# Altium PCB PCB_power_unit_1.PcbDoc (continued)
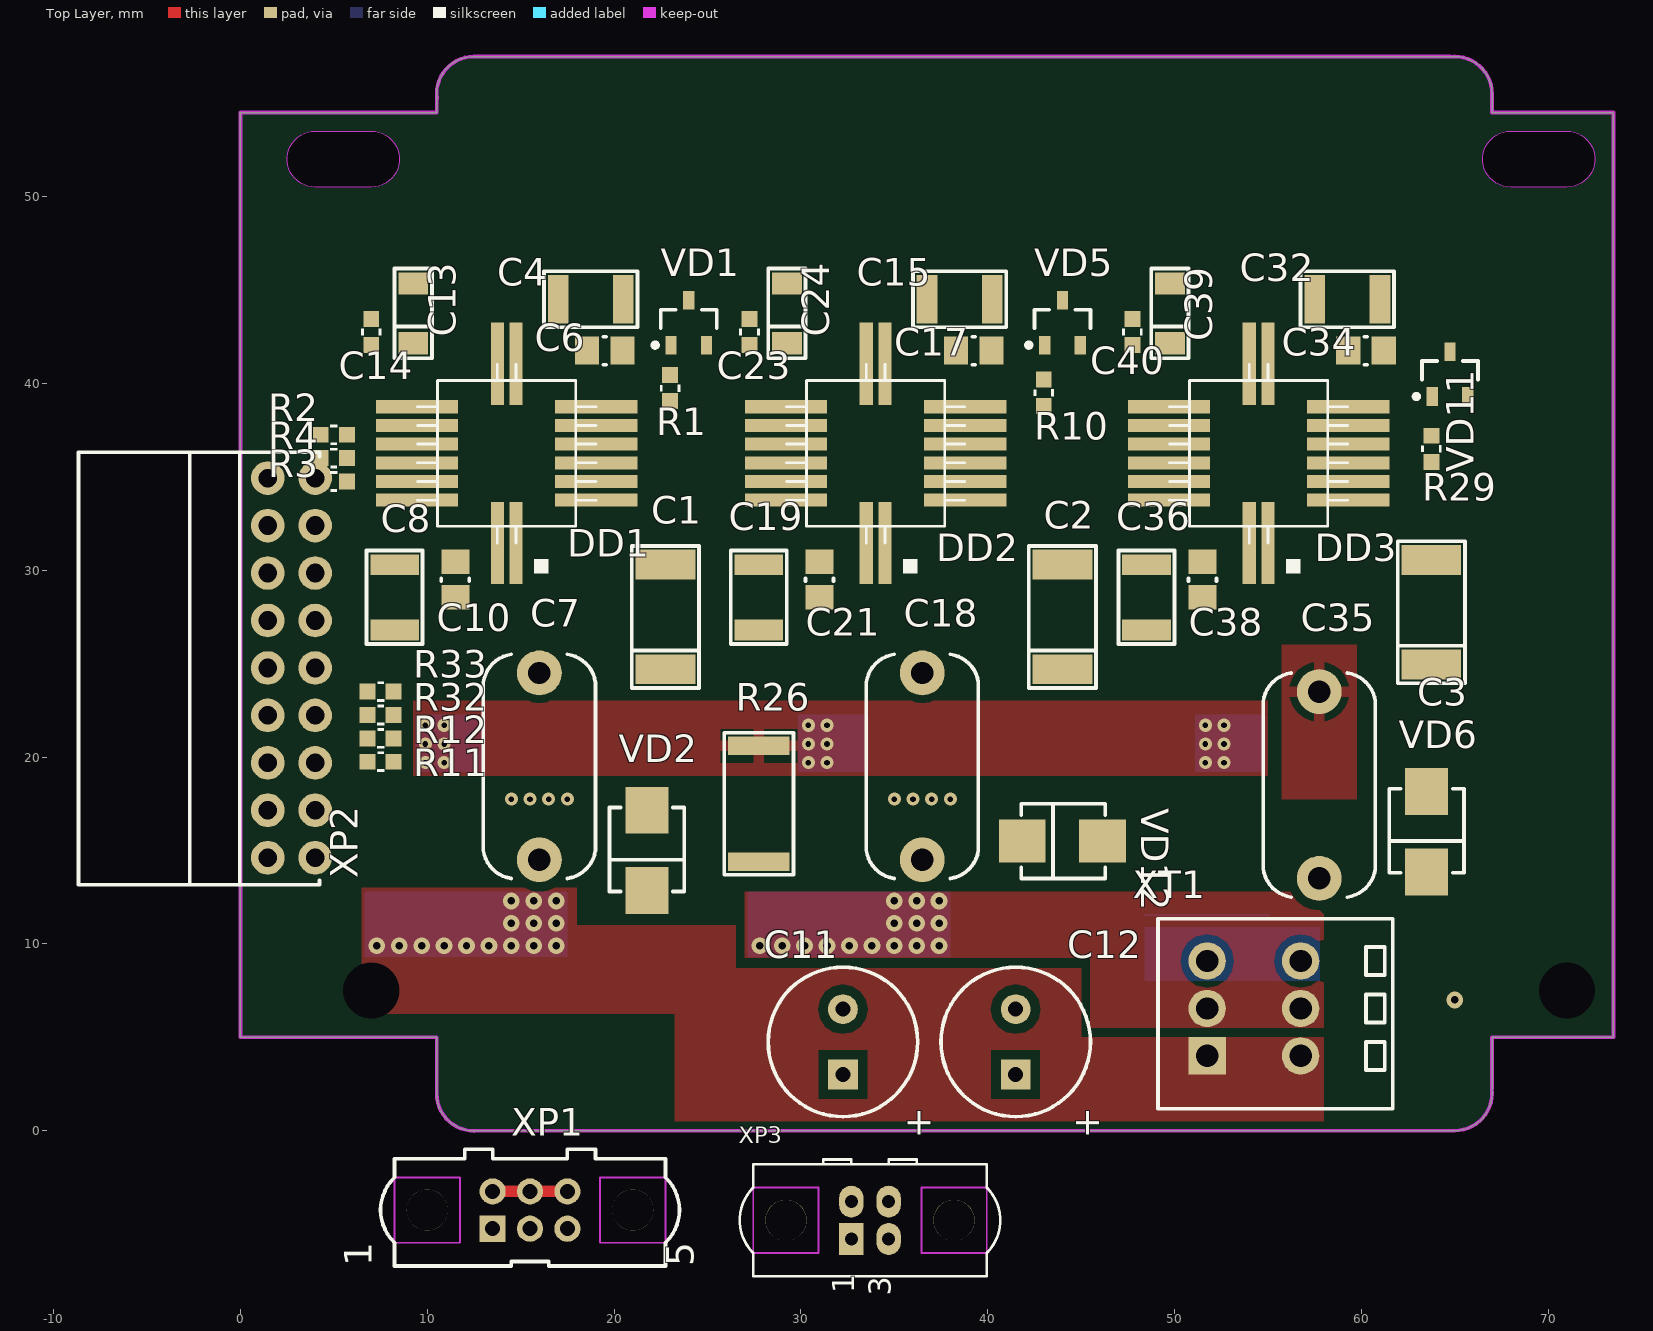
[diagram p0: Top Layer view]
## Components (designator, comment, footprint, x,y, rotation, side; value= is the part's Value field where it differs from the comment) (continued)
C29 "Ceramic capacitor, 2200, H20, ±10%, 50V, 0603, -55...+125°C" "CAP: 0603P" 33.75,44 r180 bottom value=2200
C30 "Ceramic capacitor, 0.1мк, H90, +80-20%, 10V, 0603, -55...+125°C" "CAP: 0603P" 15,41.75 r270 bottom value=0.1мк
C31 "Ceramic capacitor, 47, МП0, ±10%, 50V, 0603, -55...+125°C" "CAP: 0603P" 33.75,35.25 r0 bottom value=47
C32 "Ceramic capacitor, 1мк, Н20 (X7R), ±10%, 25V, 1210, -55...+125°C" "CAP: 1210" 59.25,44.5 r0 top value=1мк
C34 "Ceramic capacitor, 0.1мк, Н90 (Y5V), +80 -20%, 50V, 0805 (2012), -55...+125°C" "CAP: 0805P" 60.25,41.75 r0 top value=0.1мк
C35 "Film capacitor, 0.22мк, 63VDC, ±10%, Impedance, 12x10 mm, -60...+125°C" "CAP: K73-17 12X10X6" 57.75,18.5 r90 top value=0.22мк
C36 "Ceramic capacitor, 1мк, Н20 (X7R), ±10%, 25V, 1210, -55...+125°C" "CAP: 1210" 48.5,28.55 r90 top value=1мк
C38 "Ceramic capacitor, 0.1мк, Н90 (Y5V), +80 -20%, 50V, 0805 (2012), -55...+125°C" "CAP: 0805P" 51.5,29.5 r90 top value=0.1мк
C39 "Tantalum capacitor, 4.7мк, 10V, ±10%, 2Ohm, case A (3216), -55...+125°C" "CAP: TANTAL-A" 49.75,43.75 r90 top value=4.7мк
C40 "Ceramic capacitor, 0.1мк, H90, +80-20%, 10V, 0603, -55...+125°C" "CAP: 0603P" 47.75,42.75 r270 top value=0.1мк
DA1 "544УД16У3 (Н04.16-1В) АЕЯР.431130.510 ТУ_разнесенная 1" 16-Н04.16-1B 24,38.5 r180 bottom
DD1 "Hight&Low side gate driver, VoltageWork, Frequency, 2A, supply 4...15V, Temperature, Н04.16-2В" 16-Н04.16-1B 14.25,36.25 r180 top locked
DD2 "Hight&Low side gate driver, VoltageWork, Frequency, 2A, supply 4...15V, Temperature, Н04.16-2В" 16-Н04.16-1B 34,36.25 r180 top locked
DD3 "Hight&Low side gate driver, VoltageWork, Frequency, 2A, supply 4...15V, Temperature, Н04.16-2В" 16-Н04.16-1B 54.5,36.25 r180 top locked
R1 "Resistor film, 10, ±5%, 0603, 0.1W, -55...+125°C" "RES: 0603P" 23,39.75 r90 top value=10
R2 "Resistor film, 10k, ±5%, 0603, 0.1W, -55...+125°C" "RES: 0603P" 5,37.25 r180 top value=10k
R3 "Resistor film, 10k, ±5%, 0603, 0.1W, -55...+125°C" "RES: 0603P" 5,34.75 r180 top value=10k
R4 "Resistor film, 10k, ±5%, 0603, 0.1W, -55...+125°C" "RES: 0603P" 5,36 r180 top value=10k
R5 "Resistor film, 10, ±5%, 0805, 0.125W, -55...+125°C" "RES: 0805P" 20,28 r270 bottom value=10
R6 "Resistor film, 10k, ±5%, 0603, 0.1W, -55...+125°C" "RES: 0603P" 23.75,23.25 r180 bottom value=10k
R7 "Resistor film, 10k, ±1%, 0805, 0.125W, -55...+125°C" "CAP: 0805P" 44.3,3.9 r270 bottom value=10k
R8 "Resistor film, 10, ±5%, 0805, 0.125W, -55...+125°C" "RES: 0805P" 7.5,28 r270 bottom value=10
R9 "Resistor film, 10k, ±5%, 0603, 0.1W, -55...+125°C" "RES: 0603P" 11.5,23.25 r180 bottom value=10k
R10 "Resistor film, 10, ±5%, 0603, 0.1W, -55...+125°C" "RES: 0603P" 43,39.5 r90 top value=10
R11 "Resistor film, 10k, ±5%, 0603, 0.1W, -55...+125°C" "RES: 0603P" 7.5,19.75 r0 top value=10k
R12 "Resistor film, 10k, ±5%, 0603, 0.1W, -55...+125°C" "RES: 0603P" 7.5,21 r0 top value=10k
R13 "Resistor film, 10, ±5%, 0805, 0.125W, -55...+125°C" "RES: 0805P" 40.25,28 r270 bottom value=10
R14 "Resistor film, 10k, ±5%, 0603, 0.1W, -55...+125°C" "RES: 0603P" 44,23.25 r180 bottom value=10k
R15 "Resistor film, 28k, ±1%, 0603, 0.1W, -55...+125°C" "RES: 0603P" 4,40.3 r90 bottom value=28k
R16 "Resistor film, 28k, ±1%, 0603, 0.1W, -55...+125°C" "RES: 0603P" 12.25,34.5 r270 bottom value=28k
R17 "Resistor film, 100, ±5%, 0603, 0.1W, -55...+125°C" "RES: 0603P" 14.5,39 r180 bottom value=100
R18 "Resistor film, 4.02k, ±1%, 0603, 0.1W, -55...+125°C" "RES: 0603P" 2.75,40.3 r270 bottom value=4.02k
R19 "Resistor film, 1k, ±1%, 0603, 0.1W, -55...+125°C" "RES: 0603P" 13.5,34.5 r90 bottom value=1k
R20 "Resistor film, 10, ±5%, 0805, 0.125W, -55...+125°C" "RES: 0805P" 28.25,28 r270 bottom value=10
R21 "Resistor film, 10k, ±5%, 0603, 0.1W, -55...+125°C" "RES: 0603P" 32,23.25 r180 bottom value=10k
R22 "Resistor film, 3.16k, ±1%, 0603, 0.1W, -55...+125°C" "RES: 0603P" 33.75,40.25 r180 bottom value=3.16k
R23 "Resistor film, 100, ±5%, 0603, 0.1W, -55...+125°C" "RES: 0603P" 40,35.75 r90 bottom value=100
R24 "Resistor film, 1k, ±1%, 0603, 0.1W, -55...+125°C" "RES: 0603P" 33.75,39 r180 bottom value=1k
R25 "Resistor film, 100, ±5%, 0603, 0.1W, -55...+125°C" "RES: 0603P" 33.75,42.75 r0 bottom value=100
R26 "Resistor film, 0.056, ±1%, 2512, 0.75W, -55...+125°C" "RES: 2512" 27.75,17.5 r270 top value=0.056
R28 "Resistor film, 1k, ±1%, 0603, 0.1W, -55...+125°C" "RES: 0603P" 33.75,37.75 r180 bottom value=1k
R29 "Resistor film, 10, ±5%, 0603, 0.1W, -55...+125°C" "RES: 0603P" 63.75,36.5 r90 top value=10
R30 "Resistor film, 100, ±5%, 0603, 0.1W, -55...+125°C" "RES: 0603P" 38.75,35.75 r90 bottom value=100
R31 "Resistor film, 3.16k, ±1%, 0603, 0.1W, -55...+125°C" "RES: 0603P" 33.75,36.5 r180 bottom value=3.16k
R32 "Resistor film, 10k, ±5%, 0603, 0.1W, -55...+125°C" "RES: 0603P" 7.5,22.25 r0 top value=10k
R33 "Resistor film, 10k, ±5%, 0603, 0.1W, -55...+125°C" "RES: 0603P" 7.5,23.5 r0 top value=10k
R34 "Resistor film, 10, ±5%, 0805, 0.125W, -55...+125°C" "RES: 0805P" 61.5,28 r270 bottom value=10
R35 "Resistor film, 10k, ±5%, 0603, 0.1W, -55...+125°C" "RES: 0603P" 65.25,23.5 r180 bottom value=10k
R36 "Resistor film, 10, ±5%, 0805, 0.125W, -55...+125°C" "RES: 0805P" 49.5,28 r270 bottom value=10
R37 "Resistor film, 10k, ±5%, 0603, 0.1W, -55...+125°C" "RES: 0603P" 53.25,23.5 r180 bottom value=10k
VD1 "fast Single diode, 80V, 200mA; max 1.5 A, 1V, 4ns, SOT-23, -55...+150°C" SOT23#1 24,43.25 r90 top
VD2 "Zener diode, 56V, 8A, 0.9V, RecoveryTime, SMB, -55...+150°C" "DIODE: SMB" 21.75,15 r270 top
VD3 "TVS diode, 18V, 1A, VoltageDrop, RecoveryTime, SOT-23, -55...+150°C" SOT23#2 23.25,26 r0 bottom
VD4 "TVS diode, 18V, 1A, VoltageDrop, RecoveryTime, SOT-23, -55...+150°C" SOT23#2 11,26 r0 bottom
VD5 "fast Single diode, 80V, 200mA; max 1.5 A, 1V, 4ns, SOT-23, -55...+150°C" SOT23#1 44,43.25 r90 top
VD6 "Zener diode, 56V, 8A, 0.9V, RecoveryTime, SMB, -55...+150°C" "DIODE: SMB" 63.5,16 r270 top
VD7 "fast Single diode, 80V, 200mA; max 1.5 A, 1V, 4ns, SOT-23, -55...+150°C" SOT23#2 2.5,37 r270 bottom
VD8 "TVS diode, 18V, 1A, VoltageDrop, RecoveryTime, SOT-23, -55...+150°C" SOT23#2 43.5,26 r0 bottom
VD9 "fast Single diode, 80V, 200mA; max 1.5 A, 1V, 4ns, SOT-23, -55...+150°C" SOT23#2 10.75,40 r90 bottom
VD10 "TVS diode, 18V, 1A, VoltageDrop, RecoveryTime, SOT-23, -55...+150°C" SOT23#2 31.5,26 r0 bottom
VD11 "fast Single diode, 80V, 200mA; max 1.5 A, 1V, 4ns, SOT-23, -55...+150°C" SOT23#1 64.75,40.5 r90 top
VD12 "Zener diode, 56V, 8A, 0.9V, RecoveryTime, SMB, -55...+150°C" "DIODE: SMB" 44,15.5 r180 top
VD13 "TVS diode, 18V, 1A, VoltageDrop, RecoveryTime, SOT-23, -55...+150°C" SOT23#2 64.75,26 r0 bottom
VD14 "TVS diode, 18V, 1A, VoltageDrop, RecoveryTime, SOT-23, -55...+150°C" SOT23#2 52.75,26 r0 bottom
VT1 "MOSFET N-channel transistor, 100V, 32A@+25°C, 59nC, 2.5W, 45mOhm, 3200pF, DPAK (KT-89), -55...+150°C" DPAK 21.75,17.5 r270 bottom
VT2 "MOSFET N-channel transistor, 100V, 32A@+25°C, 59nC, 2.5W, 45mOhm, 3200pF, DPAK (KT-89), -55...+150°C" DPAK 10,17.5 r270 bottom
VT3 "MOSFET N-channel transistor, 100V, 32A@+25°C, 59nC, 2.5W, 45mOhm, 3200pF, DPAK (KT-89), -55...+150°C" DPAK 42.5,17.5 r270 bottom
VT4 "MOSFET N-channel transistor, 100V, 32A@+25°C, 59nC, 2.5W, 45mOhm, 3200pF, DPAK (KT-89), -55...+150°C" DPAK 30.5,17.5 r270 bottom
VT5 "MOSFET N-channel transistor, 100V, 32A@+25°C, 59nC, 2.5W, 45mOhm, 3200pF, DPAK (KT-89), -55...+150°C" DPAK 63.75,17.5 r270 bottom
VT6 "MOSFET N-channel transistor, 100V, 32A@+25°C, 59nC, 2.5W, 45mOhm, 3200pF, DPAK (KT-89), -55...+150°C" DPAK 51.75,17.5 r270 bottom
XP1 "Вилка, 6pin, 2mm, 120VAC, 1.5A" "CON: M80-5000605" 15.5,-4.25 r90 top
XP2 "Connector, 18pin, 2.54mm, 500VAC, 3A" "CON: PLD-18R" 4,23.5 r90 top
XP3 "Вилка, 4pin, 2mm, 120VAC, 1.5A" "CON: M80-5000405" 33.7,-4.8 r90 top
XT1 "Terminal connector, 3pin, 3.5mm, 300VAC, 6A" "CON: 233-403 WAGO" 56.75,4 r90 top

## Footprints (in the part's own frame and the unit in brackets; to place one, negate y for a bottom-side part, rotate by r counter-clockwise, add the part's x,y. Pads: shape width x height; smd on the part's side, far side on the other; paste and mask are expansions set on the pad)
16-Н04.16-1B [mm] "USSR"
  rect 0.7x4.4 smd mask+0.05: 1(-0.5,4.8) 8(-0.5,-4.8) 9(0.5,-4.8) 16(0.5,4.8)
  rect 4.4x0.7 smd mask+0.05: 2(-4.8,2.5) 3(-4.8,1.5) 4(-4.8,0.5) 5(-4.8,-0.5) 6(-4.8,-1.5) 7(-4.8,-2.5) 10(4.8,-2.5) 11(4.8,-1.5) 12(4.8,-0.5) 13(4.8,0.5) 14(4.8,1.5) 15(4.8,2.5)
  silkscreen extent -4.77,-4.77 4.77,6.4, body extent -7.84,-8 7.84,8, height 2.92
"CAP: 0603P" [mm] "small var"
  rect 0.85x0.85 smd: 1(-0.7,0) 2(0.7,0)
  silkscreen extent -0.2,-0.55 0.2,0.55, body extent -0.8,-0.4 0.8,0.4, height 0.3
"CAP: 0805P" [mm] "small footprint"
  rect 1.3x1.5 smd: 1(-0.95,0) 2(0.95,0)
  Top Layer pour cut-out: -0.25,-0.75 -0.25,0.75 0.25,0.75 0.25,-0.75
  silkscreen extent -0.08,-0.75 0.08,0.75, body extent -1,-0.62 1,0.63, height 0.78
"CAP: 1210" [mm]
  rect 1.1x2.6 smd: 1(-1.75,0) 2(1.75,0)
  silkscreen extent -2.5,-1.5 2.5,1.5, body extent -2,-1.24 2,1.24, height 1.7
"CAP: D8C3.5H12" [mm]
  rect 1.6x1.6 hole 0.8: 1(-1.75,0)
  round 1.6 hole 0.8: 2(1.75,0)
  silkscreen extent -4,-4 4,4, body extent -4.25,-4.25 4.25,4.25, height 13
"CAP: K73-17 12X10X6" [mm] "63V, 0.22uF"
  round 2.4 hole 1.2: 1(-5,0) 2(5,0)
  silkscreen extent -6,-3 6,3, body extent -6.5,-2.5 6.5,2.5, height 12.7
"CAP: TANTAL-A" [mm]
  rect 1.2x1.6 smd: 1(-1.6,0) 2(1.6,0)
  silkscreen extent -2.4,-1 2.4,1, body extent -1.7,-0.84 1.7,0.84, height 1.71
"CAP: TANTAL-C" [mm]
  rect 1.6x3.2 smd: 1(-2.8,0) 2(2.8,0)
  silkscreen extent -3.8,-1.8 3.8,1.8, body extent -3.05,-1.67 3.05,1.68, height 2.7
"CON: 233-403 WAGO" [mm] "pcb terminal strip"
  rect 2x2 hole 1.2: 1(0,5)
  round 2 hole 1.2: 1(0,0) 2(2.54,5) 2(2.54,0) 3(5.08,0) 3(5.08,5)
  round 0.5 on Mech1: ""(0,8.75)
  round 0.5 on Top Overlay: ""(0,8.75)
  silkscreen extent -2.83,-4.93 7.35,7.63, body extent -2.83,-4.93 7.09,7.4, height 11.73
"CON: M80-5000405" [mm] "4 pin; Harwin без винтов"
  round 2.2 hole 2.2 unplated: 0(0,4.5) 0(0,-4.5)
  rect 1.7x1.3 hole 0.7: 1(-1,1)
  oval 1.7x1.3 hole 0.7: 2(1,1) 3(-1,-1) 4(1,-1)
  Top Layer keep-out lines w0.1: -1.75,6.25 -1.75,2.75 1.75,2.75 1.75,6.25 -1.75,6.25 ; -1.75,-2.75 1.75,-2.75 1.75,-6.25 -1.75,-6.25 -1.75,-2.75
  Bottom Layer pour cut-out: 2.2,4.5 1.982,5.455 1.372,6.22 0.49,6.645 -0.49,6.645 -1.372,6.22 -1.982,5.455 -2.2,4.5 -2.2,4.5 -1.982,3.545 -1.372,2.78 -0.49,2.355 0.49,2.355 1.372,2.78 1.982,3.545 2.2,4.5
  Bottom Layer pour cut-out: 2.2,-4.5 1.982,-3.545 1.372,-2.78 0.49,-2.355 -0.49,-2.355 -1.372,-2.78 -1.982,-3.545 -2.2,-4.5 -2.2,-4.5 -1.982,-5.455 -1.372,-6.22 -0.49,-6.645 0.49,-6.645 1.372,-6.22 1.982,-5.455 2.2,-4.5
  silkscreen extent -3,-6.97 3.25,6.97, body extent -2.77,-7 3.28,7, height 5.6
"CON: M80-5000605" [mm] "HR500"
  round 2.2 hole 2.2 unplated mask+0.1: 0(0,5.5) 0(0,-5.5)
  rect 1.4x1.4 hole 0.8: 1(-1,2)
  round 1.4 hole 0.8: 2(1,2) 3(-1,0) 4(1,0) 5(-1,-2) 6(1,-2)
  Top Layer keep-out lines w0.1: -1.75,7.25 -1.75,3.75 1.75,3.75 1.75,7.25 -1.75,7.25 ; -1.75,-3.75 -1.75,-7.25 1.75,-7.25 1.75,-3.75 -1.75,-3.75
  silkscreen extent -3,-8 3.25,8, body extent -2.78,-8 3.27,8, height 5.6
"CON: PLD-18R" [mm] "шаг 2.54,  угловая вилка"
  round 1.8 hole 1: 1(-8.89,0) 2(-8.89,2.54) 3(-6.35,0) 4(-6.35,2.54) 5(-3.81,0) 6(-3.81,2.54) 7(-1.27,0) 8(-1.27,2.54) 9(1.27,0) 10(1.27,2.54) 11(3.81,0) 12(3.81,2.54) 13(6.35,0) 14(6.35,2.54) 15(8.89,0) 16(8.89,2.54) 17(11.43,0) 18(11.43,2.54)
  round 0.5 on Top Overlay: ""(-10.14,-0.73)
  silkscreen extent -10.34,-0.23 12.82,12.67, body extent -10.16,-0.28 12.7,12.62, height 5.08
"DIODE: SMB" [mm]
  rect 2.5x2.3 smd: 1(-2.15,0) 2(2.15,0)
  silkscreen extent -2.3,-2 2.2,2, body extent -2.75,-1.95 2.75,1.95, height 2.45
DPAK [mm]
  rect 3x1.6 smd: 1(-3.25,2.29) 2(-3.25,-2.29)
  rect 6.7x6.7 smd: 3(3.25,0)
  round 0.5 on Mech2: ""(-3.2,2.9)
  silkscreen extent -3.37,-3.62 6.9,3.71, body extent -3.8,-3.32 6.3,3.42, height 2.37
"RES: 0603P" [mm] "small footprint"
  rect 0.85x0.85 smd: 1(-0.7,0) 2(0.7,0)
  silkscreen extent -0.2,-0.55 0.2,0.55, body extent -0.8,-0.4 0.8,0.4, height 0.44
"RES: 0805P" [mm] "small footprint"
  rect 1.3x1.5 smd: 1(-0.95,0) 2(0.95,0)
  Top Layer pour cut-out: -0.25,-0.75 -0.25,0.75 0.25,0.75 0.25,-0.75
  silkscreen extent -0.08,-0.75 0.08,0.75, body extent -1,-0.62 1,0.63, height 0.6
"RES: 2512" [mm]
  rect 1x3.3 smd: 1(-3.1,0) 2(3.1,0)
  silkscreen extent -3.8,-1.85 3.8,1.85, body extent -3.17,-1.6 3.18,1.6, height 0.52
SOT23#1 [mm]
  rect 1x0.6 smd: 1(-1.2,0.95) 2(-1.2,-0.95) 3(1.2,0)
  round 0.5 on Mech1: ""(-0.9,1.1)
  silkscreen extent -1.32,-1.5 0.7,1.92, body extent -1.32,-1.52 1.32,1.52, height 1.12
SOT23#2 [mm]
  rect 1x0.6 smd: 1(-1.2,0.95) 2(-1.2,-0.95) 3(1.2,0)
  round 0.5 on Mech2: ""(-0.9,1.1)
  silkscreen extent -1.32,-1.5 0.7,1.92, body extent -1.32,-1.52 1.32,1.52, height 1.12

## Part data
C1 C2 C3: library part Tantal_C, Manufacturer=Элеконд, Package="case C (6032)", PartNumber="К53-68 \"С\"-25 В-10 мкф ±10%", Temperature=-60...+125°C, Tolerance=±10%, TypeCapacitor="Tantalum capacitor", TypeDielectric=X7R, Voltage=25V, HelpURL=https://eandc.ru/pdf/kondensator/k53-68.pdf, Impedance=0.8-1Ohm, ValueManufacturerPartNumber="Tantalum capacitor, 10мк, 25V, ±10%, 0.8-1Ohm, case C (6032), -60...+125°C"
C4 C8 C15 C19 C32 C36: library part Ceramic_1210, Manufacturer=Monolit, Package=1210, PartNumber="К10-84в-3225М-25~В-Н20-1 мкФ-O-A ±10% ФЦТА.673516.016 ТУ", Temperature=-55...+125°C, Tolerance=±10%, TypeCapacitor="Ceramic capacitor", TypeDielectric="Н20 (X7R)", Voltage=25V, HelpURL=http://monolit.vitebsk.by/products/kondensatory/K1084NOVYE/, ValueManufacturerPartNumber="Ceramic capacitor, 1мк, Н20 (X7R), ±10%, 25V, 1210, -55...+125°C"
C6 C10 C17 C21 C34 C38: library part Ceramic_0805, Manufacturer=Монолит, Package="0805 (2012)", PartNumber="К10-84в-2012М-50В-0,1 мкФ +80/-20%-Н90-N-A", Temperature=-55...+125°C, Tolerance="+80 -20%", TypeCapacitor="Ceramic capacitor", TypeDielectric="Н90 (Y5V)", Voltage=50V, Analog="00131672 (pin-to-pin)", HelpURL=http://monolit.vitebsk.by/products/kondensatory/K1084NOVYE/, ValueManufacturerPartNumber="Ceramic capacitor, 0.1мк, Н90 (Y5V), +80 -20%, 50V, 0805 (2012), -55...+125°C"
C7 C18 C35: library part Film, Manufacturer=Гириконд, Package="12x10 mm", PartNumber="K73-17-63В-0,22мкФ±10%-В АЖЯР.673633.004 ТУ", Temperature=-60...+125°C, Tolerance=±10%, TypeCapacitor="Film capacitor", Voltage=63VDC, HelpURL=http://www.giricond.ru/files/k73-17_.pdf, ValueManufacturerPartNumber="Film capacitor, 0.22мк, 63VDC, ±10%, Impedance, 12x10 mm, -60...+125°C"
C11 C12: library part Aluminium, Manufacturer=Элеконд, Package="8x11.3x3.5 mm", PartNumber="K50-93-63В-100мкФ ±20% -И-В АЖЯР.673541.021 ТУ", Temperature=-60...+100°C, Tolerance=±20%, TypeCapacitor="Aluminium capacitor", Voltage=63V, HelpURL=https://elecond.ru/production/capacitors/aluminum/k50-93, Impedance=0.342Ohm@100kHz, MAX=00139211, ValueManufacturerPartNumber="Aluminium capacitor, 100мк, 63V, ±20%, 0.342Ohm@100kHz, 8x11.3x3.5 mm, -60...+100°C"
C13 C24 C39: library part Tantal_A, Manufacturer=Элеконд, Package="case A (3216)", PartNumber="К53-68 \"А\"-10 В-4.7 мкф", Temperature=-55...+125°C, Tolerance=±10%, TypeCapacitor="Tantalum capacitor", TypeDielectric=X7R, Voltage=10V, HelpURL=https://www.digikey.com/product-detail/en/avx-corporation/F930J107KAAAJ6/478-12404-1-ND/9645231, Impedance=2Ohm, MAX=00130629, ValueManufacturerPartNumber="Tantalum capacitor, 4.7мк, 10V, ±10%, 2Ohm, case A (3216), -55...+125°C"
C14 C23 C30 C40: library part Ceramic_0603, Manufacturer=Гириконд, Package=0603, PartNumber="К10-79-10В-0,1 мкФ +80-20% H90", Temperature=-55...+125°C, Tolerance=+80-20%, TypeCapacitor="Ceramic capacitor", TypeDielectric=H90, Voltage=10V, HelpURL=http://www.giricond.ru/files/k10-79_vp_2018_saiyt.pdf, ValueManufacturerPartNumber="Ceramic capacitor, 0.1мк, H90, +80-20%, 10V, 0603, -55...+125°C"
  C14 C40: MAX=00131675
C22 C25 C26 C28 C29: library part Ceramic_0603, Manufacturer=Монолит, Package=0603, PartNumber="К10-84в-1608М-50В-2200 пФ ±10%-Н20-N-A", Temperature=-55...+125°C, Tolerance=±10%, TypeCapacitor="Ceramic capacitor", TypeDielectric=H20, Voltage=50V, ValueManufacturerPartNumber="Ceramic capacitor, 2200, H20, ±10%, 50V, 0603, -55...+125°C"
  C22 C25 C28 C29: Analog="MAX 00132726 (pin-to-pin)", HelpURL=http://www.monolit.vitebsk.by/Files/K10-84.pdf
  C26: Analog="MAX 00132726"
C27 C31: library part Ceramic_0603, Manufacturer=Монолит, Package=0603, PartNumber="К10-84в-1608М-50В-47 пФ ±10%-МП0-N-A", Temperature=-55...+125°C, Tolerance=±10%, TypeCapacitor="Ceramic capacitor", TypeDielectric=МП0, Voltage=50V, Analog="00124425 (pin-to-pin)", HelpURL=http://monolit.vitebsk.by/products/kondensatory/K1047Mabv/, ValueManufacturerPartNumber="Ceramic capacitor, 47, МП0, ±10%, 50V, 0603, -55...+125°C"
DA1: "Op. Amp rail-to-rail", Manufacturer="НПП \"Восток\"", Analog=OP284FS, CodeMAX=00135502, HelpURL=http://www.vostok.nsk.su/files/pdf/544UD16U3.pdf, MAX=00135502, Part_Number=544УД16У3, Pattern/Footprint=16-Н04.16-1B, Published=2019, Publisher=Sokolov, TU="АЕЯР.431130.510 ТУ", Type="Операционный усилитель"
DD1 DD2 DD3: library part 1308ЕУ4БУ, "Gate driver", CurrentOutput=2A, Manufacturer="Кремний Эл", Package=Н04.16-2В, PartNumber=1308ЕУ4АУ, VoltageSupply="supply 4...15V", Analog="IR2113 IR", ComponentType="Hight&Low side gate driver", HelpURL=http://caxapa.ru/parts/files/1SHKtJ3.pdf, MAX=00131005, ValueManufacturerPartNumber="Hight&Low side gate driver, VoltageWork, Frequency, 2A, supply 4...15V, Temperature, Н04.16-2В"
R1 R10 R29: library part Resistor_0603, Manufacturer="ОАО Ресурс", Package=0603, PartNumber="Р1-12-0,1ум.-10~Ом ±2%-М ШКАБ.434110.002 ТУ", Power=0.1W, Temperature=-55...+125°C, Tolerance=±5%, TypeResistor="Resistor film", HelpURL=https://aoresurs.com/catalog/chip_rezistory/rezistory-r1-12-kategoriya-kachestva-vp-/, MAX=00133989, ValueManufacturerPartNumber="Resistor film, 10, ±5%, 0603, 0.1W, -55...+125°C"
R2 R3 R4 R6 R9 R11 R12 R14 R21 R32 R33 R35 R37: library part Resistor_0603, Manufacturer="ОАО Ресурс", Package=0603, PartNumber="Р1-12-0,1ум.-10~кОм ±5%-М ШКАБ.434110.002 ТУ", Power=0.1W, Temperature=-55...+125°C, Tolerance=±5%, TypeResistor="Resistor film", Analog="MAX 00133986 (1%)", HelpURL=https://aoresurs.com/catalog/chip_rezistory/rezistory-r1-12-kategoriya-kachestva-vp-/, ValueManufacturerPartNumber="Resistor film, 10k, ±5%, 0603, 0.1W, -55...+125°C"
R5 R8 R13 R20 R34 R36: library part Resistor_0805, Manufacturer="ОАО Ресурс", Package=0805, PartNumber="Р1-12-0,125-10 Ом ±5%-М ШКАБ.434110.002 ТУ", Power=0.125W, Temperature=-55...+125°C, Tolerance=±5%, TypeResistor="Resistor film", HelpURL=https://aoresurs.com/catalog/chip_rezistory/rezistory-r1-12-kategoriya-kachestva-vp-/, MAX=00123032, ValueManufacturerPartNumber="Resistor film, 10, ±5%, 0805, 0.125W, -55...+125°C"
R7: library part Resistor_0603, Manufacturer="ОАО Ресурс", Package=0805, PartNumber="Р1-12-0,125-10~кОм ±1%-М ШКАБ.434110.002 ТУ", Power=0.125W, Temperature=-55...+125°C, Tolerance=±1%, TypeResistor="Resistor film", HelpURL=https://aoresurs.com/catalog/chip_rezistory/rezistory-r1-12-kategoriya-kachestva-vp-/, MAX=00134578, ValueManufacturerPartNumber="Resistor film, 10k, ±1%, 0805, 0.125W, -55...+125°C"
R15 R16: library part Resistor_0603, Manufacturer="ОАО Ресурс", Package=0603, PartNumber="Р1-12-0,1ум.-28~кОм ±5%-М ШКАБ.434110.002 ТУ", Power=0.1W, Temperature=-55...+125°C, Tolerance=±1%, TypeResistor="Resistor film", HelpURL=https://aoresurs.com/catalog/chip_rezistory/rezistory-r1-12-kategoriya-kachestva-vp-/, MAX=00134035, ValueManufacturerPartNumber="Resistor film, 28k, ±1%, 0603, 0.1W, -55...+125°C"
R17 R23 R25 R30: library part Resistor_0603, Manufacturer="ОАО Ресурс", Package=0603, PartNumber="Р1-12-0,1ум.-100~Ом ±5%-М ШКАБ.434110.002 ТУ", Power=0.1W, Temperature=-55...+125°C, Tolerance=±5%, TypeResistor="Resistor film", HelpURL=https://aoresurs.com/catalog/chip_rezistory/rezistory-r1-12-kategoriya-kachestva-vp-/, MAX=00133991, ValueManufacturerPartNumber="Resistor film, 100, ±5%, 0603, 0.1W, -55...+125°C"
R18: library part Resistor_0603, Manufacturer="ОАО Ресурс", Package=0603, PartNumber="Р1-12-0,1ум.-4.02~кОм±1%-М ШКАБ.434110.002 ТУ", Power=0.1W, Temperature=-55...+125°C, Tolerance=±1%, TypeResistor="Resistor film", HelpURL=https://aoresurs.com/catalog/chip_rezistory/rezistory-r1-12-kategoriya-kachestva-vp-/, MAX=00134054, ValueManufacturerPartNumber="Resistor film, 4.02k, ±1%, 0603, 0.1W, -55...+125°C"
R19 R24 R28: library part Resistor_0603, Manufacturer="ОАО Ресурс", Package=0603, PartNumber="Р1-12-0,1ум.-1~кОм ±1%-М ШКАБ.434110.002 ТУ", Power=0.1W, Temperature=-55...+125°C, Tolerance=±1%, TypeResistor="Resistor film", HelpURL=https://aoresurs.com/catalog/chip_rezistory/rezistory-r1-12-kategoriya-kachestva-vp-/, MAX=00133971, ValueManufacturerPartNumber="Resistor film, 1k, ±1%, 0603, 0.1W, -55...+125°C"
R22 R31: library part Resistor_0603, Manufacturer="ОАО Ресурс", Package=0603, PartNumber="Р1-12-0,1ум.-3.16~кОм±1%-М ШКАБ.434110.002 ТУ", Power=0.1W, Temperature=-55...+125°C, Tolerance=±1%, TypeResistor="Resistor film", HelpURL=https://aoresurs.com/catalog/chip_rezistory/rezistory-r1-12-kategoriya-kachestva-vp-/, MAX=00134037, ValueManufacturerPartNumber="Resistor film, 3.16k, ±1%, 0603, 0.1W, -55...+125°C"
R26: library part Resistor_2512, Manufacturer=Эркон, Package=2512, PartNumber="Р1-105-0,75-0,056 Ом±1% А РМУ.434150.001 ТУ", Power=0.75W, Temperature=-55...+125°C, Tolerance=±1%, TypeResistor="Resistor film", HelpURL=https://www.digikey.com/product-detail/en/yageo/RC2512JK-07100RL/YAG3393CT-ND/5962215, MAX=00149851, ValueManufacturerPartNumber="Resistor film, 0.056, ±1%, 2512, 0.75W, -55...+125°C"
VD1 VD5 VD7 VD9 VD11: library part Diode_single_SOT23, Current="200mA; max 1.5 A", Manufacturer=КРИП, Package=SOT-23, PartNumber=2Д707Б9, Temperature=-55...+150°C, Voltage=80V, VoltageDrop=1V, Analog=BAS16, HelpURL=https://kriptehno.ru/wp-content/uploads/2018/09/short_cat_kriptehno.pdf, RecoveryTime=4ns, TypeDiode="fast Single diode", ValueManufacturerPartNumber="fast Single diode, 80V, 200mA; max 1.5 A, 1V, 4ns, SOT-23, -55...+150°C"
VD2 VD6 VD12: library part TVS_single, Current=8A, Manufacturer=ВЗПП, Package=SMB, PartNumber=2РС202Е91, Temperature=-55...+150°C, Voltage=56V, VoltageDrop=0.9V, Analog="SMBJ48CA (pin-to-pin)", HelpURL=http://www.nzpp.ru/product/, TypeDiode="Zener diode", ValueManufacturerPartNumber="Zener diode, 56V, 8A, 0.9V, RecoveryTime, SMB, -55...+150°C"
VD3 VD4 VD8 VD10 VD13 VD14: library part TVS_array_var2, Current=1A, Manufacturer=КРИП, Package=SOT-23, PartNumber=2Р192В9, Temperature=-55...+150°C, Voltage=18V, Analog="КР192А9 (ОТК) (pin-to-pin)", Cap=21pF, NOTE="указано для pin1-pin3", TypeDiode="TVS diode", Uогр.=22.5V, ValueManufacturerPartNumber="TVS diode, 18V, 1A, VoltageDrop, RecoveryTime, SOT-23, -55...+150°C"
VT1 VT2 VT3 VT4 VT5 VT6: library part 2ПЕ208В92_N_DPAK, "Ангстрем (ВП)", CurrentDS=32A@+25°C, InputCapacitor=3200pF, Manufacturer=Ангстрем, MaxPower=2.5W, Package="DPAK (KT-89)", PartNumber=2ПЕ208В92, Temperature=-55...+150°C, VoltageDS=100V, Analog=AnD28N10, GateCharge=59nC, HelpURL=https://angstrem.ru/ru/and28n10, RDS=45mOhm, TypeTransistor="MOSFET N-channel transistor", ValueManufacturerPartNumber="MOSFET N-channel transistor, 100V, 32A@+25°C, 59nC, 2.5W, 45mOhm, 3200pF, DPAK (KT-89), -55...+150°C"
XP1: library part "M80-5000605 Harwin", "вилка на плату", CurrentMax=1.5A, Manufacturer=Электродеталь, PartNumber=СНП401-6ВП21-3-1-1, VoltageMax=120VAC, Analog="MAX 00126397 (M80-5000605 pin-to-pin)", CommentText=СНП401, HelpURL=https://eu.mouser.com/ProductDetail/Harwin/M80-5000605?qs=yQtJ9TWM%2F1KaJIUUBEXorg%3D%3D, Multichannel=6pin, Pitch=2mm, TypeConnector=Вилка, ValueManufacturerPartNumber="Вилка, 6pin, 2mm, 120VAC, 1.5A"
XP2: library part PLD-18, CurrentMax=3A, Manufacturer=Электродеталь, PartNumber="СНП393-18ВП31-2-01-5 РЮМК.430420.035 ТУ", VoltageMax=500VAC, Analog="MAX 000724477 (PLD-80R с доработкой до 18pin)", CommentText=СНП393, Multichannel=18pin, Pitch=2.54mm, TypeConnector=Connector, ValueManufacturerPartNumber="Connector, 18pin, 2.54mm, 500VAC, 3A"
XP3: library part "M80-5000405 Harwin", "вилка на плату", CurrentMax=1.5A, Manufacturer=Электродеталь, PartNumber=СНП401-4ВП21-3-1-1, VoltageMax=120VAC, Analog="MAX 00138661", CommentText=СНП401, HelpURL=https://eu.mouser.com/ProductDetail/Harwin/M80-5000405?qs=yQtJ9TWM%2F1IJnFqYnM2R9Q%3D%3D, Multichannel=4pin, Pitch=2mm, TypeConnector=Вилка, ValueManufacturerPartNumber="Вилка, 4pin, 2mm, 120VAC, 1.5A"
XT1: library part Connector_terminal_3pin, CurrentMax=6A, Manufacturer="Завод Атлант", PartNumber="СКПП-0.5-2.54У-3x2-2 СЦНК.434410.044 ТУ", VoltageMax=300VAC, Analog="233-403 Wago", CommentText=СКПП-0.5-2.54У, HelpURL=http://xn--80aaagkp6are6bd.xn--p1ai/main/soediniteli_klemmnye/klemmy_dlja_pechatnogo_montazha/skpp_05_254u_1(24)h2_2(3), Multichannel=3pin, Pitch=3.5mm, TypeConnector="Terminal connector", ValueManufacturerPartNumber="Terminal connector, 3pin, 3.5mm, 300VAC, 6A"

## Free pads (board coordinates)
  round 0 hole 3 unplated: ""(7,7.5) ""(71,7.5)
  round 0 hole 2.5 unplated: ""(7,52) ""(71,52)

## Via types
v1: diameter 0.9, hole 0.4, Top Layer to Bottom Layer, tented both sides, 31 vias
v2: diameter 0.7, hole 0.3, Top Layer to Bottom Layer, tented both sides, 26 vias

## Nets (pads, with @x,y where several pads share a name; then routed paths per layer and width w, separated by ;. In a path a pad name is that pad's centre, name@x,y a point inside that pad or via, vN(x,y) a via of type N, cw(c..) or ccw(c..) an arc to the next point about the centre after c; other vN are vias at no path point)
3V3A: C30.2 DA1.14 VD7.3 VD9.3 XP2.14
5V: C13.1 C14.2 C23.2 C24.1 C39.1 C40.2 DD1.9 DD1.10 DD2.9 DD2.10 DD3.9 DD3.10 XP2.1
15DC: C25.1 R15.1 R18.2 VD7.1 XP2.17
+15V: C1.2 C2.2 C3.2 C8.2 C10.2 C19.2 C21.2 C36.2 C38.2 DD1.2 DD2.2 DD3.2 R1.1 R10.1 R15.2 R29.1 XP1.1
+27V: C7.1 C11.1 C12.1 C18.1 C35.1 R7.2 R16.2 VD2.2 VD6.2 VD12.2 VT1.3 VT3.3 VT5.3 XP1.3 XP1.5
AGND: C22.2 C25.2 C26.2 C29.2 C30.1 C31.2 DA1.6 R18.1 R19.1 R31.1 XP2.18
GND: C13.2 C14.1 C23.1 C24.2 C39.2 C40.1 DD1.11 DD1.15 DD2.11 DD2.15 DD3.11 DD3.15 R2.2 R3.2 R4.2 R11.2 R12.2 R32.2 R33.2 XP2.2 XP3.2 XP3.4
HI1: DD1.12 R2.1 XP2.3
HI2: DD2.12 R11.1 XP2.5
HI3: DD3.12 R32.1 XP2.7
IDC: C29.1 R25.2 XP2.15
Limit_L: XP2.10 XP3.1
Limit_R: XP2.11 XP3.3
LO1: DD1.14 R3.1 XP2.4
LO2: DD2.14 R12.1 XP2.6
LO3: DD3.14 R33.1 XP2.8
NetC4_2: C4.2 C6.2 DD1.4 VD1.3
NetC15_2: C15.2 C17.2 DD2.4 VD5.3
NetC26_1: C26.1 DA1.11 R16.1 R19.2 VD9.1
NetC27_1: C27.1 DA1.3 R22.2 R25.1
NetC27_2: C27.2 DA1.4 R22.1 R24.2
NetC28_1: C28.1 R23.2 R24.1
NetC28_2: C28.2 R28.1 R30.2
NetC31_1: C31.1 DA1.5 R28.2 R31.2
NetC32_2: C32.2 C34.2 DD3.4 VD11.3
NetDA1_12: DA1.12 DA1.13 R17.1
NetDD1_1: DD1.1 R8.1
NetDD1_5: DD1.5 R5.1
NetDD2_1: DD2.1 R20.1
NetDD2_5: DD2.5 R13.1
NetDD3_1: DD3.1 R36.1
NetDD3_5: DD3.5 R34.1
NetR1_2: R1.2 VD1.1
NetR5_2: R5.2 R6.2 VD3.1 VD3.2 VT1.1
NetR8_2: R8.2 R9.2 VD4.1 VD4.2 VT2.1
NetR10_2: R10.2 VD5.1
NetR13_2: R13.2 R14.2 VD8.1 VD8.2 VT3.1
NetR20_2: R20.2 R21.2 VD10.1 VD10.2 VT4.1
NetR29_2: R29.2 VD11.1
NetR34_2: R34.2 R35.2 VD13.1 VD13.2 VT5.1
NetR36_2: R36.2 R37.2 VD14.1 VD14.2 VT6.1
PGND: C1.1 C2.1 C3.1 C7.2 C11.2 C12.2 C18.2 C35.2 R7.1 R23.1 R26.2 VD2.1 VD6.1 VD12.1 XP1.2 XP1.4 XP1.6 | length 4
  Top Layer w0.6: XP1.2 XP1.4 XP1.6
  other v2: 14.5,17.75 15.5,17.75 16.5,17.75 17.5,17.75 35,17.75 36,17.75 37,17.75 38,17.75
PGND_: C8.1 C10.1 C19.1 C21.1 C36.1 C38.1 DD1.16 DD2.16 DD3.16 R9.1 R21.1 R26.1 R30.1 R37.1 VD4.3 VD10.3 VD14.3 VT2.2 VT4.2 VT6.2
  other v2: 9.9,19.7 10.9,19.7 30.4,19.7 31.4,19.7 51.65,19.7 52.65,19.7 9.9,20.7 10.9,20.7 30.4,20.7 31.4,20.7 51.65,20.7 52.65,20.7 9.9,21.7 10.9,21.7 30.4,21.7 31.4,21.7 51.65,21.7 52.65,21.7
SD: DD1.13 DD2.13 DD3.13 R4.1 XP2.9
U: C4.1 C6.1 DD1.6 R6.1 VD3.3 VT1.2 VT2.3 XT1.1
  other v1: 7.3,9.9 8.5,9.9 9.7,9.9 10.9,9.9 12.1,9.9 13.3,9.9 14.5,9.9 15.7,9.9 16.9,9.9 14.5,11.1 15.7,11.1 16.9,11.1 14.5,12.3 15.7,12.3 16.9,12.3
UDC: C22.1 R17.2 XP2.16
V: C15.1 C17.1 DD2.6 R14.1 VD8.3 VT3.2 VT4.3 XT1.2
  other v1: 27.8,9.9 29,9.9 30.2,9.9 31.4,9.9 32.6,9.9 33.8,9.9 35,9.9 36.2,9.9 37.4,9.9 35,11.1 36.2,11.1 37.4,11.1 35,12.3 36.2,12.3 37.4,12.3
W: C32.1 C34.1 DD3.6 R35.1 VD13.3 VT5.2 VT6.3 XT1.3
pads on no net: DA1.1 DA1.2 DA1.7 DA1.8 DA1.9 DA1.10 DA1.15 DA1.16 DD1.3 DD1.7 DD1.8 DD2.3 DD2.7 DD2.8 DD3.3 DD3.7 DD3.8 VD1. VD1.2 VD3. VD4. VD5. VD5.2 VD7. VD7.2 VD8. VD9. VD9.2 VD10. VD11. VD11.2 VD13. VD14. VT1. VT2. VT3. VT4. VT5. VT6. XP1.0 XP2. XP2.12 XP2.13 XP3.0 XT1.
copper on no net:
  other v1: 65,7

## Polygon pours and split planes (outlines as drawn)
+27V on Bottom Layer "+27V" (solid, remove dead copper, pour order 8): 67.25,16.5 14.5,16.5 14.5,0.5 67.25,0.5
PGND on Bottom Layer "Bottom Layer-No Net" (solid, remove dead copper, pour order 18): 38.75,17 38.75,26.5 34.25,26.5 34.25,17
PGND on Bottom Layer "Bottom Layer-No Net" (solid, remove dead copper, pour order 20): 18,17 18,26.5 13.75,26.5 13.75,17
U on Top Layer "Bottom Layer-No Net" (solid, remove dead copper, pour order 28): 58,0.5 58,5 45,5 45,8.7 26.5,8.7 26.5,11 18,11 18,13 6.5,13 6.5,6.25 23.25,6.25 23.25,0.5
V on Top Layer "Bottom Layer-No Net" (solid, remove dead copper, pour order 26): 45.5,5.5 45.5,9.25 27,9.25 27,12.8 58,12.8 58,7.5 58,5.5
PGND on Top Layer "Bottom Layer-No Net" (solid, remove dead copper, pour order 16): 55.75,26 59.75,26 59.75,17.75 55.75,17.75
PGND_ on Top Layer "PGND_" (solid, remove dead copper, pour order 10): 9.25,23 10.5,23 42.25,23 55,23 55,19 9.25,19
U on INT1 "Bottom Layer-No Net" (solid, remove dead copper, pour order 34): 58,0.5 58,5 45,5 45,8.7 26.5,8.7 26.5,11 18,11 18,13 6.5,13 6.5,6.25 23.25,6.25 23.25,0.5
V on INT1 "Bottom Layer-No Net" (solid, remove dead copper, pour order 32): 45.5,5.5 45.5,9.25 27,9.25 27,12.8 58,12.8 58,7.5 58,5.5
PGND on INT2 "Bottom Layer-No Net" (solid, remove dead copper, pour order 14): 7.25,18.5 60.75,18.5 60.75,19.5 67,19.5 67.25,19.25 67.25,0.5 7.25,0.5

## Keep-outs
Keep-Out Layer:
  lines w0.2: 10.5,1.985 10.5,5 0,5 0,54.5 10.5,54.5 10.5,55.252 10.515,55.252 cw(c12.5,55.5) 12.5,57.5 64.752,57.5 64.752,57.485 cw(c65,55.5) 67,55.5 67,54.5 73.5,54.5 73.5,5 67,5 67,2.248 66.985,2.248 cw(c65,2) 65,0 12.75,0 cw(c12.502,1.985) 10.502,1.985 ; 0,44.75 0.015,44.752 ; 0,44.75 0.015,44.752 ; 0,44.75 0.015,44.752 ; 0,44.75 0.015,44.752 ; 0,44.75 0.015,44.752 ; 0,44.75 0.015,44.752 ; 0,44.75 0.015,44.752

## Other copper
Bottom Layer:
  rectangle net U: 6.65,9.3 17.5,12.8
  rectangle net V: 27.15,9.3 38,12.8
  rectangle net W: 48.4,11.5 55.1,11.6
  rectangle net W: 48.4,8 57.8,10.9
  region net PGND_: 13.1,22.25 9.35,22.25 9.35,19.2 13.1,19.2
  region net PGND_: 33.6,22.25 29.85,22.25 29.85,19.2 33.6,19.2
  region net PGND_: 54.85,22.25 51.1,22.25 51.1,19.2 54.85,19.2

## Silkscreen, mask and mechanical layers (free items; w line width, h text height)
Border:
  lines w0.2: 4,53.503 7,53.503 ; 10.5,1.985 10.5,5 0,5 0,54.5 10.5,54.5 10.5,55.252 ; 10.502,1.985 ccw(c12.502,1.985) 12.75,0 65,0 ccw(c65,2) 66.985,2.248 ; 10.515,55.252 cw(c12.5,55.5) 12.5,57.5 64.752,57.5 ; 64.752,57.485 cw(c65,55.5) 67,55.5 67,54.5 73.5,54.5 73.5,5 67,5 67,2.248 ; 4,5.997 cw(c4,7.5) 4,9.003 7,9.003 cw(c7,7.5) 7,5.997 4,5.997 ; 68,5.997 cw(c68,7.5) 68,9.003 71,9.003 cw(c71,7.5) 71,5.997 68,5.997

## Dimensions
0,47 to 73.5,54.5 on Size

## Text inside footprints (layer, text, board x,y; h text height)
C11: Top Overlay "+" at 35.25,1.25 h2.5 r270
C12: Top Overlay "+" at 44.25,1.25 h2.5 r270
XP1: Top Overlay "1" at 7.5,-7.25 h2.5 r90; Top Overlay "5" at 24.75,-7.25 h2.5 r90
XP3: Top Overlay "1" at 33.25,-8.7 h2 r90; Top Overlay "3" at 35.2,-8.827 h2 r90
XT1: Top Assy "1" at 51.8,2.3 h0.94 r90